# KiCad board WavetableController.kicad_pcb
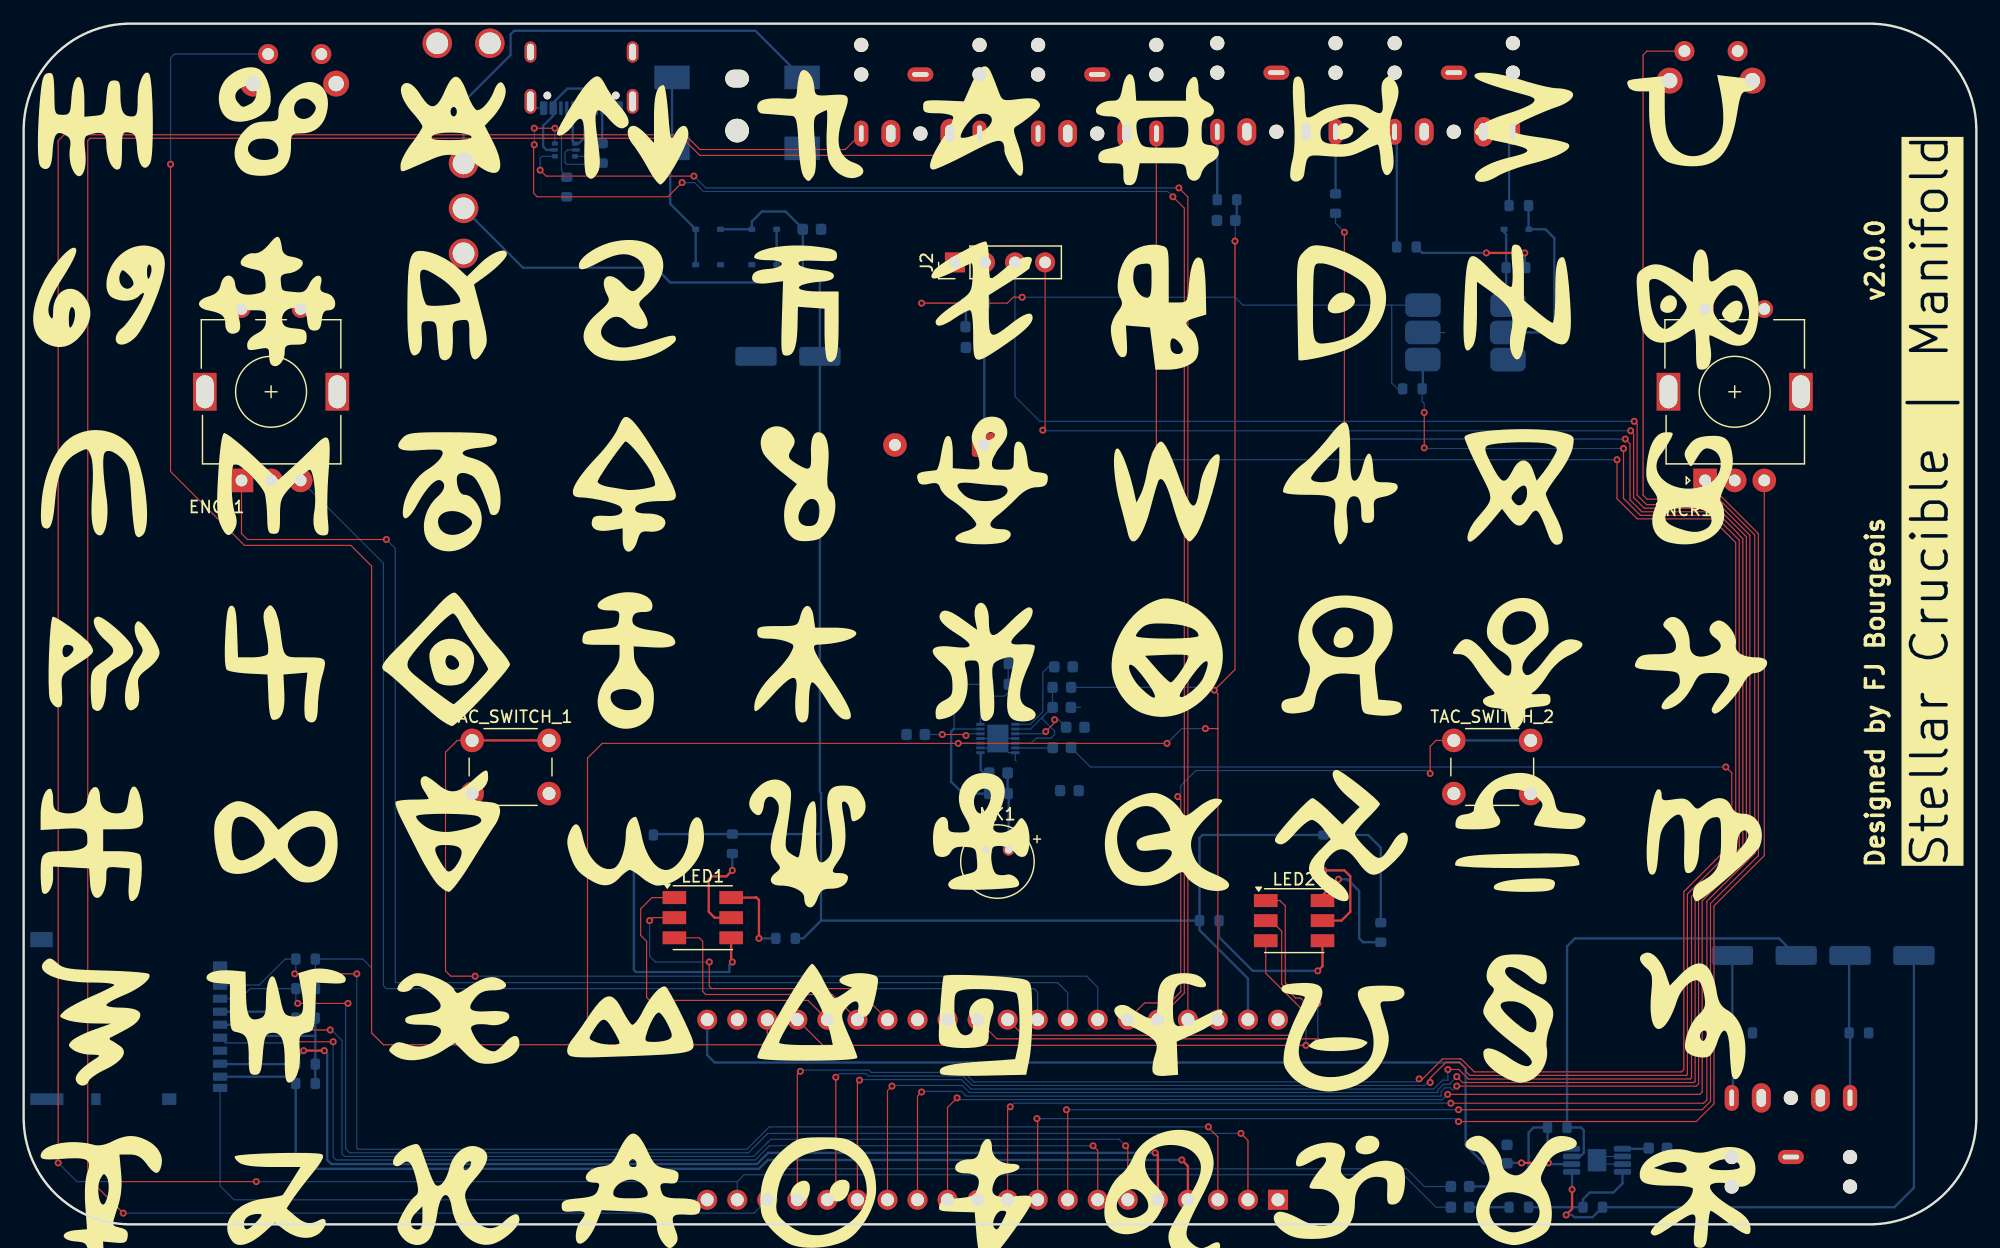
[diagram p0: board, top side]
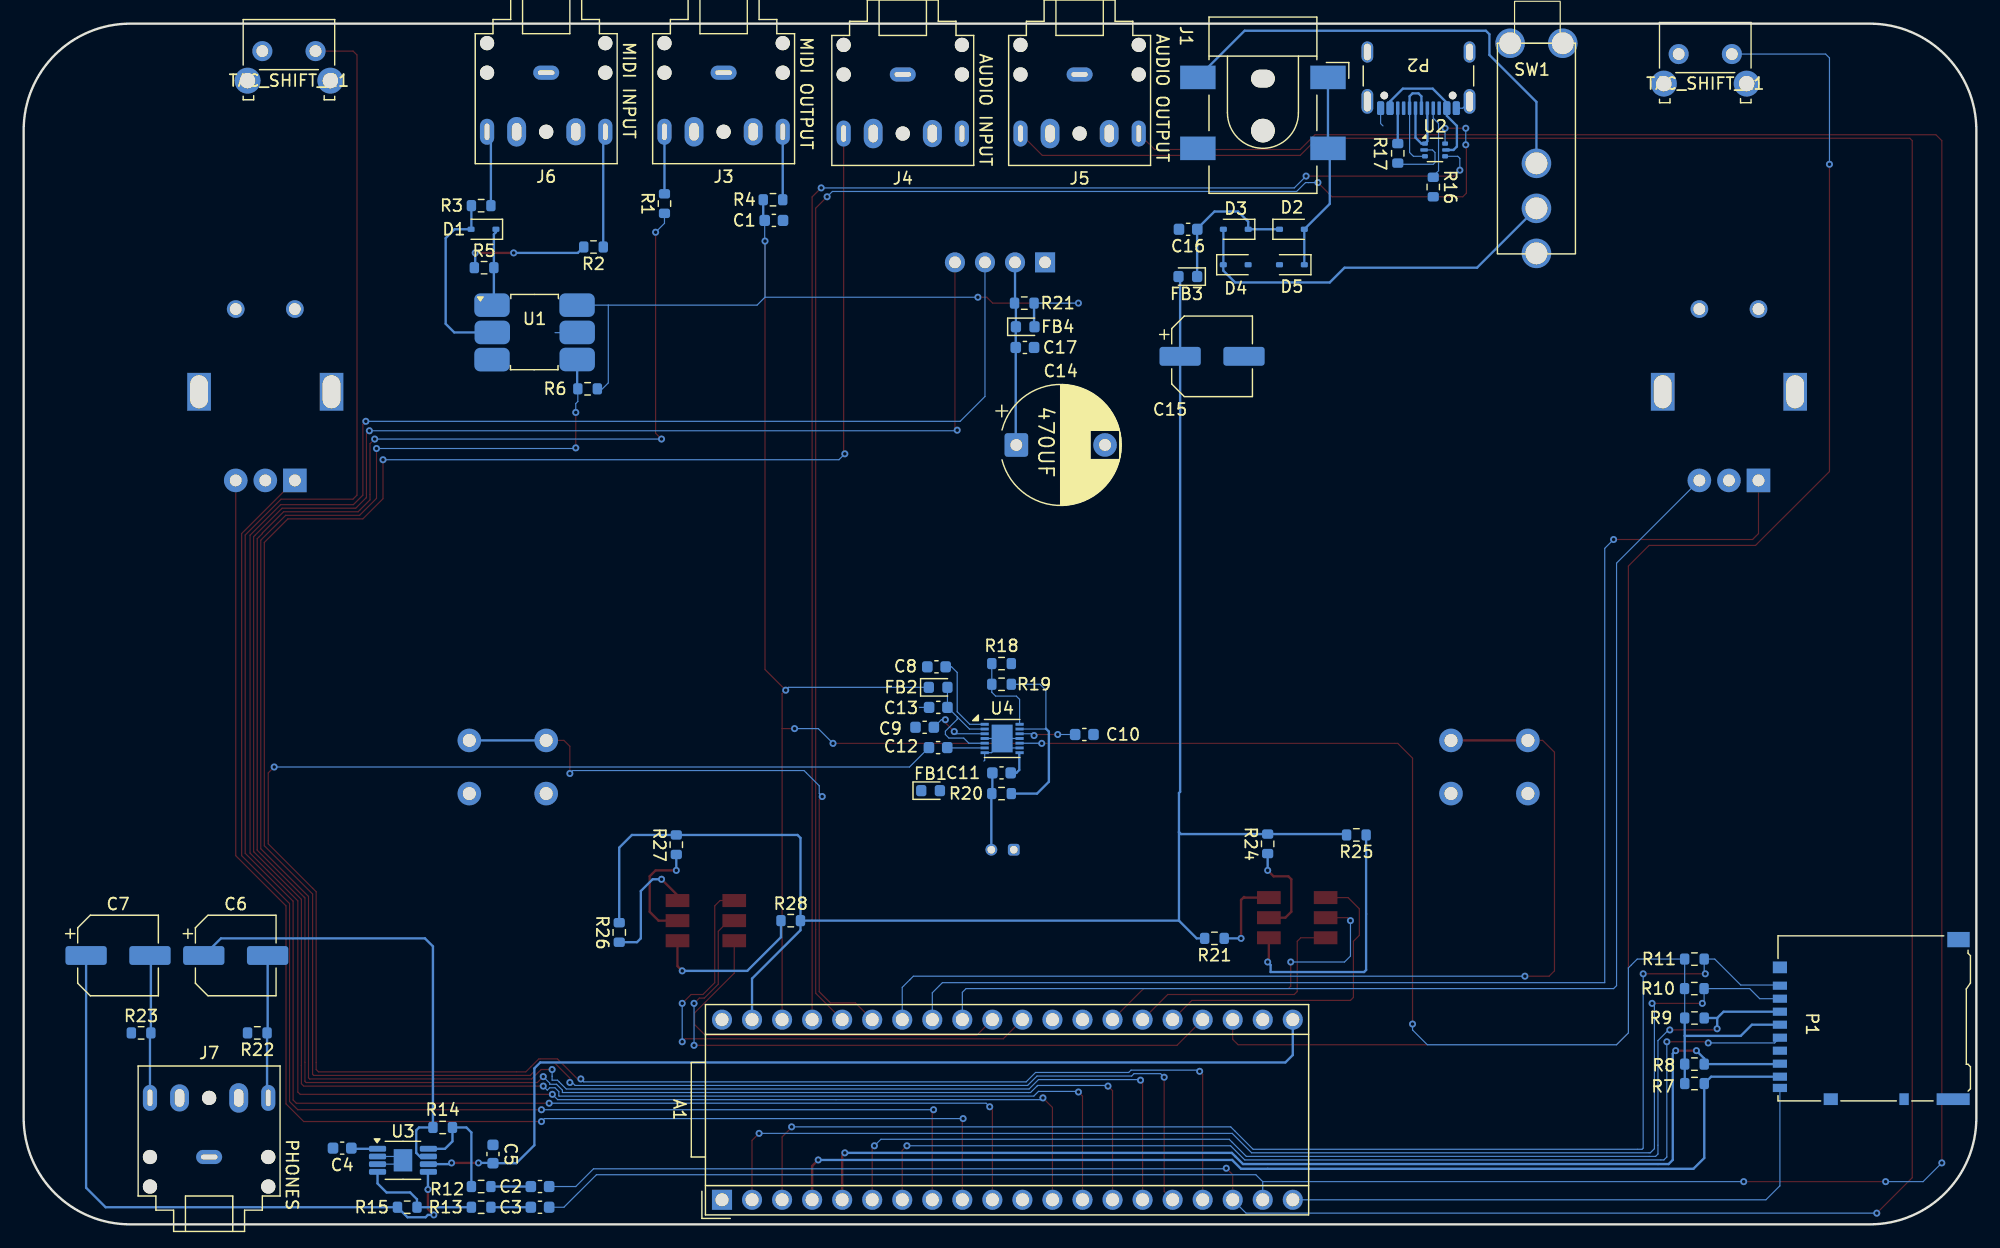
[diagram p1: board, bottom side, seen from below]

Outline 165.1 x 101.6 mm; copper layers: Top, Bottom. Coordinates in mm from the lower left corner of the outline.
Outline path: 156.55,101.59 157,101.55 157.46,101.5 157.9,101.42 158.34,101.32 158.76,101.19 159.18,101.05 159.59,100.89 159.99,100.71 160.38,100.51 160.76,100.29 161.12,100.06 161.48,99.81 161.82,99.54 162.15,99.26 162.46,98.96 162.76,98.65 163.04,98.32 163.31,97.98 163.56,97.62 163.79,97.26 164.01,96.88 164.21,96.49 164.39,96.09 164.55,95.68 164.69,95.26 164.82,94.84 164.92,94.4 165,93.96 165.05,93.5 165.09,93.05 165.1,92.58 165.1,9.02 165.09,8.55 165.05,8.1 165,7.64 164.92,7.2 164.82,6.76 164.69,6.34 164.55,5.92 164.39,5.51 164.21,5.11 164.01,4.72 163.79,4.34 163.56,3.98 163.31,3.62 163.04,3.28 162.76,2.95 162.46,2.64 162.15,2.34 161.82,2.06 161.48,1.79 161.12,1.54 160.76,1.31 160.38,1.09 159.99,0.89 159.59,0.71 159.18,0.55 158.76,0.41 158.34,0.28 157.9,0.18 157.46,0.1 157,0.05 156.55,0.01 156.08,0 9.02,0 8.55,0.01 8.1,0.05 7.64,0.1 7.2,0.18 6.76,0.28 6.34,0.41 5.92,0.55 5.51,0.71 5.11,0.89 4.72,1.09 4.34,1.31 3.98,1.54 3.62,1.79 3.28,2.06 2.95,2.34 2.64,2.64 2.34,2.95 2.06,3.28 1.79,3.62 1.54,3.98 1.31,4.34 1.09,4.72 0.89,5.11 0.71,5.51 0.55,5.92 0.41,6.34 0.28,6.76 0.18,7.2 0.1,7.64 0.05,8.1 0.01,8.55 0,9.02 0,92.58 0.01,93.05 0.05,93.5 0.1,93.96 0.18,94.4 0.28,94.84 0.41,95.26 0.55,95.68 0.71,96.09 0.89,96.49 1.09,96.88 1.31,97.26 1.54,97.62 1.79,97.98 2.06,98.32 2.34,98.65 2.64,98.96 2.95,99.26 3.28,99.54 3.62,99.81 3.98,100.06 4.34,100.29 4.72,100.51 5.11,100.71 5.51,100.89 5.92,101.05 6.34,101.19 6.76,101.32 7.2,101.42 7.64,101.5 8.1,101.55 8.55,101.59 9.02,101.6 156.08,101.6 closed

## Placement (name value [footprint] x y rotation side)
A1  Electrosmith_Daisy_Seed_Rev4  [Electrosmith_Daisy_Seed_Cuz]  106.05 2.08 90 bottom
C1  100NF  [C_0603_1608Metric]  101.67 84.95 180 bottom
C2  470NF  [C_0603_1608Metric]  121.44 3.2 0 bottom
C3  470NF  [C_0603_1608Metric]  121.44 1.45 0 bottom
C4  100NF  [C_0603_1608Metric]  138.17 6.45 0 bottom
C5  100NF  [C_0603_1608Metric]  125.42 5.95 90 bottom
C6  100UF  [CP_Elec_6.3x7.7]  147.17 22.75 180 bottom
C7  100UF  [CP_Elec_6.3x7.7]  157.12 22.75 180 bottom
C8  100NF  [C_0603_1608Metric]  87.92 47.18 180 bottom
C9  2.2UF  [C_0603_1608Metric]  88.92 42.06 180 bottom
C10  470NF  [C_0603_1608Metric]  75.42 41.45 0 bottom
C11  100NF  [C_0603_1608Metric]  82.42 38.2 180 bottom
C12  4.7UF  [C_0603_1608Metric]  87.78 40.34 0 bottom
C13  2.2UF  [C_0603_1608Metric]  87.77 43.74 180 bottom
C14  -  [CP_Radial_D10.0mm_P7.50mm]  81.17 65.95 180 bottom
C15  10UF  [CP_Elec_6.3x7.7]  64.62 73.45 180 bottom
C16  100NF  [C_0603_1608Metric]  66.64 84.2 0 bottom
C17  100NF  [C_0603_1608Metric]  80.44 74.2 180 bottom
D1  D_Schottky  [D_SOD-323]  126.22 84.2 0 bottom
D2  D_Schottky  [D_SOD-323]  57.87 84.2 180 bottom
D3  D_Schottky  [D_SOD-323]  62.61 84.2 0 bottom
D4  D_Schottky  [D_SOD-323]  62.62 81.2 180 bottom
D5  D_Schottky  [D_SOD-323]  57.87 81.2 0 bottom
ENCL1  RotaryEncoder_Switch  [RotaryEncoder_Alps_Vertical_H20mm]  18.42 62.95 90 top
ENCR1  RotaryEncoder_Switch  [RotaryEncoder_Alps_Vertical_H20mm]  142.17 62.95 90 top
FB1  FerriteBead  [D_0603_1608Metric]  88.42 36.7 180 bottom
FB2  FerriteBead  [D_0603_1608Metric]  87.78 45.44 180 bottom
FB3  FerriteBead  [D_0603_1608Metric]  66.67 80.2 0 bottom
FB4  FerriteBead  [D_0603_1608Metric]  80.42 75.95 180 bottom
J1  Barrel_Jack  [Retroactive_SMDBarrelJack_CLIFF]  60.32 94.05 270 bottom
J2  SSD1306 OLED  [Retroactive_2.42_OLED_I2C]  78.74 81.4 90 top
J3  MIDI OUTPUT  [Jack_3.5mm_CUI_RetroactiveCustom]  105.92 97.45 0 bottom
J4  AUDIO INPUT  [Jack_3.5mm_CUI_RetroactiveCustom]  90.77 97.3 0 bottom
J5  AUDIO OUTPUT  [Jack_3.5mm_CUI_RetroactiveCustom]  75.82 97.3 0 bottom
J6  MIDI INPUT  [Jack_3.5mm_CUI_RetroactiveCustom]  120.92 97.45 0 bottom
J7  PHONES  [Jack_3.5mm_CUI_RetroactiveCustom]  149.42 5.7 180 bottom
LED1  CLS6B-FKW  [LED_RGB_5050-6]  57.42 25.95 0 top
LED2  CLS6B-FKW  [LED_RGB_5050-6]  107.42 25.7 0 top
MK1  Microphone_Condenser  [POM-2244P-C3310-2-R]  81.38 31.7 0 top
P1  Micro_SD_Card_Det2  [microSD_HC_Hirose_DM3AT-SF-PEJM5]  8.88 17.42 90 bottom
P2  USB_C31-S-RA-CS2-SMT-BK-T/R  [USB_C_Receptacle_GCT_USB4105-xx-A_16P_TopMnt_Horizontal]  47.17 98.12 0 bottom
R1  10R  [R_0603_1608Metric]  110.92 86.37 90 bottom
R2  0R  [R_0603_1608Metric]  116.92 82.7 0 bottom
R3  0R  [R_0603_1608Metric]  126.42 86.2 0 bottom
R4  33R  [R_0603_1608Metric]  101.74 86.7 180 bottom
R5  220R  [R_0603_1608Metric]  126.17 80.95 180 bottom
R6  270R  [R_0603_1608Metric]  117.42 70.7 180 bottom
R7  47K  [R_0603_1608Metric]  23.83 11.91 180 bottom
R8  47K  [R_0603_1608Metric]  23.83 13.56 180 bottom
R9  47K  [R_0603_1608Metric]  23.83 17.46 180 bottom
R10  47K  [R_0603_1608Metric]  23.84 19.95 180 bottom
R11  47K  [R_0603_1608Metric]  23.84 22.45 180 bottom
R12  22K  [R_0603_1608Metric]  126.42 3.2 0 bottom
R13  22K  [R_0603_1608Metric]  126.42 1.45 0 bottom
R14  33K  [R_0603_1608Metric]  129.67 8.2 0 bottom
R15  33K  [R_0603_1608Metric]  132.67 1.45 0 bottom
R16  5K1  [R_0603_1608Metric]  45.92 87.77 270 bottom
R17  5K1  [R_0603_1608Metric]  48.92 90.62 270 bottom
R18  100K  [R_0603_1608Metric]  82.42 47.45 0 bottom
R19  150K  [R_0603_1608Metric]  82.42 45.7 0 bottom
R20  2K2  [R_0603_1608Metric]  82.42 36.45 180 bottom
R21  10R  [R_0603_1608Metric]  80.49 77.95 180 bottom
R21#2  300R  [R_0603_1608Metric]  64.42 24.2 0 bottom
R22  10k  [R_0603_1608Metric]  145.34 16.2 0 bottom
R23  10k  [R_0603_1608Metric]  155.17 16.2 180 bottom
R24  300R  [R_0603_1608Metric]  59.92 32.2 90 bottom
R25  300R  [R_0603_1608Metric]  52.42 32.95 0 bottom
R26  300R  [R_0603_1608Metric]  114.74 24.7 90 bottom
R27  300R  [R_0603_1608Metric]  109.92 32.12 90 bottom
R28  300R  [R_0603_1608Metric]  100.24 25.7 180 bottom
SW1  Power ON/OFF  [DigiKey_1101A4VQEA_SPDT_Vertical_SlideSwitch]  37.19 99.94 0 bottom
TAC_SHIFT_L1  SW_Push  [Retroactive_90DegSW_Tactile]  25.17 99.02 180 bottom
TAC_SHIFT_R1  SW_Push  [Retroactive_90DegSW_Tactile]  144.92 99.27 180 bottom
TAC_SWITCH_1  SW_MEC_5E  [Retroactive_THT_TACTSW_6mm_H9.5mm]  37.92 40.95 0 top
TAC_SWITCH_2  SW_MEC_5E  [Retroactive_THT_TACTSW_6mm_H9.5mm]  120.92 40.95 0 top
U1  H11L1  [SOP-6_3.8x4.1mm_P2.54mm(RetroactiveCustom)]  121.92 75.45 180 bottom
U2  USBLC6-2P6  [SOT-666]  45.77 90.91 180 bottom
U3  TPA6110A2DGN  [HVSSOP-8-1EP_3x3mm_P0.65mm_EP1.57x1.89mm]  133.03 5.42 180 bottom
U4  MAX9814  [DFN-14-1EP_3x3mm_P0.4mm_EP1.78x2.35mm]  82.37 41.11 180 bottom

## Library data of the parts
A1 = -: Datasheet: https://static1.squarespace.com/static/58d03fdc1b10e3bf442567b8/t/6227e6236f02fb68d1577146/1646781988478/Daisy_Seed_datasheet_v1.0.3.pdf; Description: Daisy is an embedded platform for music.; ki_fp_filters: Electrosmith*Daisy*Seed*
C1-C5 C8-C13 C16 C17 = -: Description: Unpolarized capacitor; ki_fp_filters: C_*
C6 C7 C15 = -: Description: capacitor, US symbol; ki_fp_filters: C_*
C14 = -: Description: 470UF
D1-D5 = -: Description: Schottky diode; ki_fp_filters: TO-???* *_Diode_* *SingleDiode* D_*
ENCL1 ENCR1 = -: Description: Rotary encoder, dual channel, incremental quadrate outputs, with switch; ki_fp_filters: RotaryEncoder*Switch*
FB1-FB4 = -: Description: Ferrite bead; ki_fp_filters: Inductor_* L_* *Ferrite*
J1 = -: Description: DC Barrel Jack; ki_fp_filters: BarrelJack*
J2 = -: Description: Generic connector, single row, 01x04, script generated; ki_fp_filters: Connector*:*_1x??_*
J3-J7 = -: Description: Audio Jack, 3 Poles (Stereo / TRS); ki_fp_filters: Jack*
LED1 LED2 = -: Datasheet: https://www.cree.com/led-components/media/documents/CLS6B-FKW.pdf; Description: Cree PLCC6 3 in 1 SMD LED, PLCC-6; ki_fp_filters: LED*Cree*PLCC*4.7x1.5mm*
MK1 = -: Description: Condenser microphone
P1 = -: Datasheet: https://www.hirose.com/en/product/document?clcode=&productname=&series=DM3&documenttype=Catalog&lang=en&documentid=D49662_en; Description: Micro SD Card Socket with two card detection pins; ki_fp_filters: microSD*
P2 = -: Datasheet: https://www.usb.org/sites/default/files/documents/usb_type-c.zip; Description: USB Full-Featured Type-C Receptacle connector; ki_fp_filters: USB*C*Receptacle*
R1-R21 R21#2 R22-R28 = -: Description: Resistor; ki_fp_filters: R_*
SW1 = -: Description: Single Pole Single Throw (SPST) switch
TAC_SHIFT_L1 TAC_SHIFT_R1 = -: Description: Push button switch, generic, two pins
TAC_SWITCH_1 TAC_SWITCH_2 = -: Datasheet: http://www.apem.com/int/index.php?controller=attachment&id_attachment=1371; Description: MEC 5E single pole normally-open tactile switch; ki_fp_filters: SW*MEC*5G*
U1 = -: Datasheet: https://www.onsemi.com/pub/Collateral/H11L3M-D.PDF; Description: Schmitt Trigger Output Optocoupler, High Speed, DIP-6, 1.6mA turn on threshold; ki_fp_filters: DIP*W7.62mm* DIP*W10.16mm* SMDIP*W9.53mm*
U2 = -: Datasheet: https://www.st.com/resource/en/datasheet/usblc6-2.pdf; Description: Very low capacitance ESD protection diode, 2 data-line, SOT-666; ki_fp_filters: SOT?666*
U3 = -: Datasheet: https://www.ti.com/lit/ds/symlink/tpa6110a2.pdf; Description: 150-mW Stereo Audio Power Amplifier, HVSSOP; ki_fp_filters: HVSSOP*3x3mm*P0.65mm*
U4 = -: Datasheet: https://datasheets.maximintegrated.com/en/ds/MAX9814.pdf; Description: Microphone Amplifier with AGC and Low-Noise Microphone Bias, TDFN-14; ki_fp_filters: *DFN*EP*3x3mm*P0.4mm*

## Footprints (pads in the part's own frame, mm; a bottom-side part is the same pattern mirrored in y, then rotated)
C_0603_1608Metric
  rrect 0.9x0.95 smd: 1(-0.775,0) 2(0.775,0)
CP_Elec_6.3x7.7
  rrect 3.5x1.6 smd: 1(-2.7,0) 2(2.7,0)
CP_Radial_D10.0mm_P7.50mm
  rrect 2x2 hole 1: 1(0,0)
  round 2 hole 1: 2(7.5,0)
D_0603_1608Metric
  rrect 0.875x0.95 smd: 1(-0.787,0) 2(0.787,0)
D_SOD-323
  rrect 0.6x0.45 smd: 1(-1.05,0) 2(1.05,0)
DFN-14-1EP_3x3mm_P0.4mm_EP1.78x2.35mm
  rect 0.7x0.97 smd: (-0.445,-0.588) (-0.445,0.588) (0.45,-0.588) (0.45,0.588)
  rect 0.7x0.25 smd: 1(-1.475,1.2) 2(-1.475,0.8) 3(-1.475,0.4) 4(-1.475,0) 5(-1.475,-0.4) 6(-1.475,-0.8) 7(-1.475,-1.2) 8(1.475,-1.2) 9(1.475,-0.8) 10(1.475,-0.4) 11(1.475,0) 12(1.475,0.4) 13(1.475,0.8) 14(1.475,1.2)
  rect 1.78x2.35 smd: 15(0,0)
DigiKey_1101A4VQEA_SPDT_Vertical_SlideSwitch
  round 2.5 hole 1.85: (-2.225,0) (2.225,0) 1(0,10.16) 2(0,13.97) 3(0,17.78)
Electrosmith_Daisy_Seed_Cuz
  rect 1.7x1.7 hole 1.1: 1(0,0)
  round 1.7 hole 1.1: 2(0,-2.54) 3(0,-5.08) 4(0,-7.62) 5(0,-10.16) 6(0,-12.7) 7(0,-15.24) 8(0,-17.78) 9(0,-20.32) 10(0,-22.86) 11(0,-25.4) 12(0,-27.94) 13(0,-30.48) 14(0,-33.02) 15(0,-35.56) 16(0,-38.1) 17(0,-40.64) 18(0,-43.18) 19(0,-45.72) 20(0,-48.26) 21(15.24,-48.26) 22(15.24,-45.72) 23(15.24,-43.18) 24(15.24,-40.64) 25(15.24,-38.1) 26(15.24,-35.56) 27(15.24,-33.02) 28(15.24,-30.48) 29(15.24,-27.94) 30(15.24,-25.4) 31(15.24,-22.86) 32(15.24,-20.32) 33(15.24,-17.78) 34(15.24,-15.24) 35(15.24,-12.7) 36(15.24,-10.16) 37(15.24,-7.62) 38(15.24,-5.08) 39(15.24,-2.54) 40(15.24,0)
HVSSOP-8-1EP_3x3mm_P0.65mm_EP1.57x1.89mm
  rrect 0.63x0.76 smd: (-0.39,-0.47) (-0.39,0.47) (0.39,-0.47) (0.39,0.47)
  rrect 1.45x0.5 smd: 1(-2.15,0.975) 2(-2.15,0.325) 3(-2.15,-0.325) 4(-2.15,-0.975) 5(2.15,-0.975) 6(2.15,-0.325) 7(2.15,0.325) 8(2.15,0.975)
  rect 1.57x1.89 smd: 9(0,0)
Jack_3.5mm_CUI_RetroactiveCustom
  round 1.2 hole 1.2 unplated: (-5,-2.5) (-5,0) (0,5) (5,-2.5) (5,0)
  oval 1.2x2.2 hole 0.4x1.4: R(-5,5) T(5,5)
  oval 1.6x2.3 hole 0.8x1.5: RN(-2.5,5)
  oval 2.2x1.2 hole 1.4x0.4: S(0,0)
  oval 1.6x2.5 hole 0.8x1.5: TN(2.5,5)
LED_RGB_5050-6
  rect 2x1.1 smd: 1(-2.4,1.7) 2(2.4,1.7) 3(-2.4,0) 4(2.4,0) 5(-2.4,-1.7) 6(2.4,-1.7)
microSD_HC_Hirose_DM3AT-SF-PEJM5
  rect 0.7x1.2 smd: 1(2.775,7.725) 2(1.675,7.725) 3(0.575,7.725) 4(-0.525,7.725) 5(-1.625,7.725) 6(-2.725,7.725) 7(-3.825,7.725) 8(-4.925,7.725) 9(-5.875,7.725)
  rect 1x0.8 smd: 10(-6.825,-2.775)
  rect 1x2.8 smd: 11(-6.825,-6.925)
  rect 1x1.2 smd: 11(-6.825,3.425) 11(4.325,7.725)
  rect 1.3x1.9 smd: 11(6.675,-7.375)
POM-2244P-C3310-2-R
  rrect 1x1 hole 0.65: 1(0,0)
  round 1 hole 0.65: 2(1.9,0)
R_0603_1608Metric
  rrect 0.8x0.95 smd: 1(-0.825,0) 2(0.825,0)
Retroactive_2.42_OLED_I2C
  rect 1.7x1.7 hole 1: 1(0,0)
  round 1.7 hole 1: 2(0,-2.54) 3(0,-5.08) 4(0,-7.62)
Retroactive_90DegSW_Tactile
  round 2.2 hole 1.3: (-1.25,-2.5) (5.75,-2.5)
  round 1.7 hole 1: 1(0,0) 2(4.5,0)
Retroactive_SMDBarrelJack_CLIFF
  oval 1.5x2 hole 1.5x2 unplated: (-2.9,0)
  round 2 hole 2 unplated: (1.5,0)
  rect 2x3 smd: 1(-3,5.5) 1(3,5.5) 2(-3,-5.5) 3(3,-5.5)
Retroactive_THT_TACTSW_6mm_H9.5mm
  round 2 hole 1.1: 1(0,0) 2(0,-4.5) 3(6.5,-4.5) 4(6.5,0)
RotaryEncoder_Alps_Vertical_H20mm
  round 1.5 hole 1: 1(14.5,0) 2(14.5,-5)
  rect 2x2 hole 1: A(0,0)
  round 2 hole 1: B(0,-5) C(0,-2.5)
  rect 3.2x2 hole 2.8x1.5: MP(7.5,3.1) MP(7.5,-8.1)
SOP-6_3.8x4.1mm_P2.54mm(RetroactiveCustom)
  rrect 3x2 smd: 1(-3.58,2.33) 2(-3.56,0.02) 3(-3.58,-2.28) 4(3.62,-2.27) 5(3.62,0.02) 6(3.61,2.33)
SOT-666
  rrect 0.5x0.375 smd: 1(-0.85,0.537) 3(-0.85,-0.537) 4(0.85,-0.537) 6(0.85,0.537)
  rrect 0.65x0.3 smd: 2(-0.925,0) 5(0.925,0)
USB_C_Receptacle_GCT_USB4105-xx-A_16P_TopMnt_Horizontal
  round 0.65 hole 0.65 unplated: (-2.89,2.605) (2.89,2.605)
  rrect 0.6x1.15 smd: A1(-3.2,3.68) A4(-2.4,3.68) A9(2.4,3.68) A12(3.2,3.68) B1(3.2,3.68) B4(2.4,3.68) B9(-2.4,3.68) B12(-3.2,3.68)
  rrect 0.3x1.15 smd: A5(-1.25,3.68) A6(-0.25,3.68) A7(0.25,3.68) A8(1.25,3.68) B5(1.75,3.68) B6(0.75,3.68) B7(-0.75,3.68) B8(-1.75,3.68)
  oval 1x1.8 hole 0.6x1.4: S1(-4.32,-1.075) S1(4.32,-1.075)
  oval 1x2.1 hole 0.6x1.7: S1(-4.32,3.105) S1(4.32,3.105)

## Nets
/+3V3_A: A1.21 C5.1 U3.6
/+3V3_D: A1.38 C1.1 FB2.1 FB4.2 P1.4 R4.1 R6.2 R7.1 R8.1 R9.1 R10.1 R11.1 R21.2 U1.6 U4.10
/+5V_USB: P2.A4 P2.A9 P2.B4 P2.B9 U2.5
/+9V_FILT: A1.39 C15.1 FB3.2 R21#2.2 R24.2 R25.2 R26.2 R27.2 R28.2
GND: A1.20 A1.40 C1.2 C4.2 C5.2 C8.1 C9.1 C10.1 C13.1 C14.2 C15.2 C16.2 C17.2 D4.2 D5.2 ENCL1.2 ENCL1.C ENCR1.2 ENCR1.C FB1.1 FB1.2 J2.1 J3.S J4.S J5.S J6.S J7.S MK1.1 P1.6 P1.9 P1.11 P2.A1 P2.A12 P2.B1 P2.B12 P2.S1 R16.2 R17.2 R18.1 R22.2 R23.1 TAC_SHIFT_L1.1 TAC_SHIFT_R1.1 TAC_SWITCH_1.2 TAC_SWITCH_1.3 TAC_SWITCH_2.2 TAC_SWITCH_2.3 U1.5 U2.2 U3.2 U3.3 U3.9 U4.4 U4.7 U4.9 U4.11 U4.15
/ENCL_A: A1.33 ENCL1.A
/ENCL_B: A1.32 ENCL1.B
/ENCL_CLICK: A1.11 ENCL1.1
/ENCR_A: A1.8 ENCR1.A
/ENCR_B: A1.9 ENCR1.B
/ENCR_CLICK: A1.29 ENCR1.1
/I2C_SCL: A1.12 J2.3
/I2C_SDA: A1.13 J2.4
/LED_1_B: A1.25 LED1.1
/LED_1_G: A1.26 LED1.5
/LED_1_R: A1.27 LED1.3
/LED_2_B: A1.30 LED2.1
/LED_2_G: A1.31 LED2.5
/LED_2_R: A1.24 LED2.3
/MIC_HOT: C11.1 MK1.2 R20.1
/MIDI_IN_RING: J6.R R2.1
/MIDI_IN_TIP: J6.T R3.1
/OLED_HOT: C14.1 C17.1 FB4.1 J2.2 R21.1
/SD_CK: A1.7 P1.5
/SD_CMD: A1.6 P1.3 R9.2
/SD_D0: A1.5 P1.7 R8.2
/SD_D1: A1.4 P1.8 R7.2
/SD_D2: A1.3 P1.1 R11.2
/SD_D3: A1.2 P1.2 R10.2
/SWA: P1.10
/TAC_SHIFT_L: A1.23 TAC_SHIFT_L1.2
/TAC_SHIFT_R: A1.10 TAC_SHIFT_R1.2
/TAC_SWITCH_1: A1.34 TAC_SWITCH_1.1 TAC_SWITCH_1.4
/TAC_SWITCH_2: A1.35 TAC_SWITCH_2.1 TAC_SWITCH_2.4
/USART1_RX: A1.15 R6.1 U1.4
/USART1_TX: A1.14 R1.1
/USB_IN_MCU_N: A1.36 U2.6
/USB_IN_MCU_P: A1.37 U2.4
/USB_IN_N: P2.A7 P2.B7 U2.1
/USB_IN_P: P2.A6 P2.B6 U2.3
AUDIO_IN_L: A1.16 J4.T
AUDIO_MIC_IN_R: A1.17 C12.2
AUDIO_OUT_L: A1.18 C2.1 J5.T
AUDIO_OUT_R: A1.19 C3.1 J5.R
HEADPHONE_OUT_L: C6.2 J7.T R22.1
HEADPHONE_OUT_R: C7.2 J7.R R23.2
Net-(C2-Pad2): C2.2 R12.1
Net-(C3-Pad2): C3.2 R13.1
Net-(D1-A): D1.2 R3.2 U1.2
Net-(D1-K): D1.1 R5.2 U1.1
Net-(D2-A): D2.2 D5.1 J1.1
Net-(D2-K): C16.1 D2.1 D3.1 FB3.1
Net-(D3-A): D3.2 D4.1 SW1.2
Net-(J3-PadR): J3.R R4.2
Net-(J3-PadT): J3.T R1.2
Net-(LED1-KB): LED1.6 R25.1
Net-(LED1-KR-Pad2): LED1.2 R21#2.1
Net-(LED1-KR-Pad4): LED1.4 R24.1
Net-(LED2-KB): LED2.2 R26.1
Net-(LED2-KR-Pad4): LED2.4 R27.1
Net-(LED2-KR-Pad6): LED2.6 R28.1
Net-(P2-CC1): P2.A5 R16.1
Net-(P2-CC2): P2.B5 R17.1
Net-(R2-Pad2): R2.2 R5.1
Net-(SW1-A): J1.2 SW1.1
Net-(U3-BYPASS): C4.1 U3.1
Net-(U3-IN1-): R12.2 R14.1 U3.8
Net-(U3-IN2-): R13.2 R15.1 U3.4
Net-(U3-VO1): C6.1 R14.2 U3.7
Net-(U3-VO2): C7.1 R15.2 U3.5
Net-(U4-BIAS): C10.2 U4.12
Net-(U4-CG): C9.2 U4.3
Net-(U4-CT): C8.2 U4.1
Net-(U4-MICBIAS): R19.1 R20.2 U4.13
Net-(U4-MICIN): C11.2 U4.8
Net-(U4-MICOUT): C12.1 U4.6
Net-(U4-TH): R18.2 R19.2 U4.14
Net-(U4-VDD): C13.2 FB2.2 U4.2 U4.5

Pads without a net: A1 1 22 28; ENCL1 MP; ENCR1 MP; J1 3; J3 RN TN; J4 R RN TN; J5 RN TN; J6 RN TN; J7 RN TN; P2 A8 B8; SW1 3; U1 3

## Via types
v1: diameter 0.6, hole 0.3, Top to Bottom, 94 vias

## Routing (per net, layer and track width the routed paths; a pad name or vN(x,y) marks a point on that pad's centre or on a via; arc(x,y) is an arc through that point)
/+3V3_A: length 83.7
  Top w0.2: v1(128.92,5.2) v1(126.64,5.2)
  Bottom w0.2: v1(128.92,5.2) 129.02,5.09 U3.6 ; A1.21 57.79,14.32 58.42,13.7 121.42,13.7 121.92,13.2 121.92,6.7 123.44,5.17 C5.1 125.44,5.2 v1(126.64,5.2)
/+3V3_D: length 271.6
  Top w0.1: 100.97,41.95 100.97,44.89 v1(100.67,45.2) 102.42,46.95 v1(102.42,83.2) ; 100.97,41.95 v1(99.92,41.95) ; 100.97,41.95 A1.38 ; v1(75.92,77.95) 83.17,77.95 83.67,78.45 v1(84.42,78.45) ; v1(47.67,16.95) 47.67,39.45 48.92,40.7 v1(79.02,40.7) v1(96.67,40.7)
  Bottom w0.1: 115.67,77.78 103.09,77.78 102.42,78.45 ; 115.67,77.78 U1.6 ; 115.67,77.78 115.67,71.2 116.17,70.7 R6.2 ; v1(100.67,45.2) 100.43,45.44 FB2.1 ; v1(75.92,77.95) R21.2 ; 102.42,78.45 v1(84.42,78.45) ; 102.42,78.45 v1(102.42,83.2) 102.44,83.22 C1.1 ; v1(99.92,41.95) 97.92,41.95 v1(96.67,40.7) ; R9.1 24.66,19.69 24.67,19.7 R10.1 24.66,19.96 R11.1 28.67,22.45 29.42,21.7 29.42,16.2 30.42,15.2 46.42,15.2 47.67,16.45 v1(47.67,16.95) ; U4.10 79.03,40.71 v1(79.02,40.7)
  Bottom w0.2: P1.4 18.97,16.89 19.92,15.95 24.66,15.95 ; R21.2 79.67,75.99 FB4.2 ; C1.1 102.57,85.07 R4.1 ; 24.66,15.95 R8.1 24.65,13.56 R7.1 ; 24.66,15.95 R9.1
/+5V_USB: length 11.4
  Bottom w0.2: P2.A9 49.57,95.02 48.49,96.1 45.97,96.1 44.77,94.9 P2.A4 44.77,93.8 43.92,92.95 43.92,91.2 44.21,90.91 U2.5
/+9V_FILT: length 143
  Bottom w0.2: 67.42,33.2 67.24,33.02 R24.2 53.32,33.02 R25.2 ; 67.42,33.2 67.42,36.5 67.32,36.6 C15.1 67.32,80.06 FB3.2 ; 67.42,33.2 67.42,25.7 ; R28.2 99.42,32.7 99.67,32.95 R27.2 113.67,32.95 114.74,31.87 R26.2 ; R28.2 99.42,24.89 103.51,20.8 A1.39 ; R28.2 67.42,25.7 ; R21#2.2 65.92,24.2 67.42,25.7
GND: length 72.9
  Bottom w0.1: U4.15 81.57,40.31 U4.9 ; U4.15 82.37,40.81 83.27,39.91 U4.7 83.84,39.27 83.92,39.2 ; U4.15 U4.11 ; U4.15 U4.4 ; A1.20 17.79,2.08 16.61,3.26 P1.9 ; R17.2 48.82,89.7 45.92,89.7 45.77,89.85 45.77,90.7 45.98,90.91 U2.2 ; 50.37,93.15 50.17,92.95 ; U1.5 118.32,75.45 120.17,75.45 ; C13.1 89.37,43.74 ; P2.A12 50.37,93.2 ; U3.3 133.35,5.09 U3.9 133.35,5.74 U3.2 ; P2.A1 43.42,94.44 P2.S1
/ENCL_A: length 114.3
  Top w0.1: ENCL1.A 18.42,58.45 18.92,57.95 v1(30.67,57.95)
  Bottom w0.1: A1.33 88.27,19.59 87.42,20.45 31.42,20.45 31.42,57.2 v1(30.67,57.95)
/ENCL_B: length 103.5
  Bottom w0.1: A1.32 85.73,19.63 85.42,19.95 30.67,19.95 30.42,20.2 30.42,55.95 ENCL1.B
/ENCR_A: length 118.5
  Top w0.1: v1(88.17,9.7) 88.27,9.59 A1.8 ; ENCR1.A 146.67,58.45 146.67,31.2 142.62,27.15 142.62,10.4 141.92,9.7 v1(121.32,9.7)
  Bottom w0.1: v1(88.17,9.7) v1(121.32,9.7)
/ENCR_B: length 119.4
  Top w0.1: v1(85.67,8.95) 85.73,8.88 A1.9 ; ENCR1.B 147.17,31.2 142.92,26.95 142.92,10.2 141.42,8.7 v1(121.32,8.7)
  Bottom w0.1: v1(121.32,8.7) 121.07,8.95 v1(85.67,8.95)
/I2C_SCL: length 202.9
  Top w0.1: v1(120.4,11) 141.72,11 141.92,11.2 141.92,27.38 145.96,31.41 145.96,58.31 143.37,60.9 137.22,60.9 136.42,61.7 136.42,67.7 v1(136.17,67.95) ; A1.12 78.11,9.9 v1(78.92,10.7)
  Bottom w0.1: J2.3 83.82,70.05 85.92,67.95 v1(136.17,67.95) ; v1(78.92,10.7) 79.07,10.55 119.95,10.55 v1(120.4,11)
/I2C_SDA: length 204.6
  Top w0.1: J2.4 86.36,67.39 v1(86.17,67.2) ; A1.13 75.57,10.86 v1(75.92,11.2) ; v1(135.87,67.15) 136.12,66.9 136.12,61.5 137.02,60.6 143.24,60.6 145.66,58.19 145.66,31.54 141.62,27.5 141.62,11.9 141.42,11.7 v1(121.17,11.7)
  Bottom w0.1: v1(121.17,11.7) 120.83,11.36 120.63,11.55 120.17,11.55 119.85,11.23 119.85,10.88 119.82,10.85 79.69,10.85 79.29,11.25 75.97,11.25 v1(75.92,11.2) ; v1(86.17,67.2) 86.22,67.15 v1(135.87,67.15)
/LED_1_B: length 27
  Top w0.1: A1.25 66.32,18.95 52.92,18.95 52.67,19.2 52.67,23.95 52.17,24.45 52.17,26.7 53.12,27.65 LED1.1
/LED_1_G: length 20.8
  Top w0.1: A1.26 68.36,19.45 57.67,19.45 57.42,19.7 57.42,23.95 57.12,24.25 LED1.5
/LED_1_R: length 28.7
  Top w0.1: A1.27 70.4,19.95 58.17,19.95 57.97,20.15 v1(57.97,22.2) ; LED1.3 53.17,25.95 v1(52.92,25.7)
  Bottom w0.1: v1(57.97,22.2) 53.42,22.2 52.92,22.7 v1(52.92,25.7)
/LED_2_B: length 44.6
  Top w0.1: A1.30 82.27,15.7 109.17,15.7 v1(109.42,15.45) ; v1(109.42,18.7) 108.67,19.45 107.67,19.45 106.67,20.45 106.67,26.95 106.22,27.4 LED2.1
  Bottom w0.1: v1(109.42,15.45) v1(109.42,18.7)
/LED_2_G: length 34.6
  Top w0.1: LED2.5 105.02,21.25 108.37,17.9 108.37,16.9 107.47,16 84.51,16 A1.31
/LED_2_R: length 56.4
  Top w0.1: A1.24 67.58,15.15 v1(108.42,15.15) ; v1(108.42,18.7) 107.97,19.15 107.54,19.15 106.37,20.33 106.37,24.8 105.47,25.7 LED2.3
  Bottom w0.1: v1(108.42,15.15) v1(108.42,18.7)
/MIC_HOT: length 6.5
  Bottom w0.2: MK1.2 83.28,36.41 R20.1 83.19,36.5 C11.1
/MIDI_IN_RING: length 9.8
  Bottom w0.2: R2.1 116.09,92.27 J6.R
/MIDI_IN_TIP: length 6.4
  Bottom w0.2: J6.T 125.59,92.12 R3.1
/OLED_HOT: length 15.5
  Bottom w0.2: J2.2 81.28,77.99 R21.1 81.21,77.84 FB4.1 81.22,75.94 C17.1 81.22,66 C14.1
/SD_CK: length 89.1
  Top w0.1: v1(26.17,15.45) 22.77,15.45 v1(22.67,15.35) ; v1(90.42,6.65) 90.81,6.25 A1.7
  Bottom w0.1: v1(90.42,6.65) 63.06,6.65 61.86,5.45 26.42,5.45 26.17,5.7 v1(26.17,15.45) ; P1.5 17.05,15.35 v1(22.67,15.35)
/SD_CMD: length 94.4
  Top w0.1: v1(21.92,16.55) 22.02,16.45 v1(25.92,16.45) ; A1.6 93.35,6.46 v1(93.17,6.65)
  Bottom w0.1: v1(93.17,6.65) 92.62,7.2 63.17,7.2 61.72,5.75 27.12,5.75 26.92,5.95 26.92,15.55 26.02,16.45 v1(25.92,16.45)
  Bottom w0.2: v1(21.92,16.55) 21.91,16.56 21.91,17.46 ; R9.2 21.91,17.46 ; 21.91,17.46 21.37,17.99 P1.3
/SD_D0: length 93.5
  Top w0.2: A1.5 95.89,5.82 v1(95.67,6.05) ; v1(23.67,14.7) v1(25.42,14.7)
  Bottom w0.2: v1(25.42,14.7) 25.67,14.45 25.67,5.45 26.02,5.1 62,5.1 62.95,6.05 v1(95.67,6.05) ; P1.7 16.64,13.56 R8.2 23.01,14.04 v1(23.67,14.7)
/SD_D1: length 92.1
  Top w0.2: v1(97.92,5.45) 98.43,4.93 A1.4
  Bottom w0.2: P1.8 22.42,12.49 R7.2 23,5.61 23.92,4.7 62.17,4.7 62.92,5.45 v1(97.92,5.45)
/SD_D2: length 108
  Top w0.1: v1(22.92,21.2) v1(28.17,21.2) ; A1.3 100.97,7.39 100.17,8.2 v1(100.17,8.25)
  Bottom w0.1: v1(100.17,8.25) 63.04,8.25 61.15,6.35 28.26,6.35 28.17,6.45 v1(28.17,21.2) ; v1(22.92,21.2) 23.01,21.29 R11.2 22.12,22.45 19.92,20.25 16.67,20.25 P1.1
/SD_D3: length 107.1
  Top w0.1: v1(102.92,7.7) 103.51,7.1 A1.2 ; v1(23.17,18.7) v1(27.42,18.7)
  Bottom w0.1: v1(102.92,7.7) 62.92,7.7 61.27,6.05 27.57,6.05 27.22,6.4 27.22,18.5 v1(27.42,18.7) ; P1.2 18.31,19.09 19.17,19.95 R10.2 23.02,18.85 v1(23.17,18.7)
/TAC_SHIFT_L: length 138.9
  Top w0.1: A1.23 62.87,15.66 62.42,15.2 30.42,15.2 29.42,16.2 29.42,55.7 27.67,57.45 18.67,57.45 12.42,63.7 v1(12.42,89.7)
  Bottom w0.1: v1(12.42,89.7) 12.42,98.7 12.74,99.02 TAC_SHIFT_L1.2
/TAC_SHIFT_R: length 168.5
  Top w0.1: v1(120.67,10.25) 142.04,10.25 142.32,10.52 142.32,27.35 146.37,31.4 146.37,58.33 143.33,61.36 137.26,61.36 136.92,61.7 136.92,98.95 137.24,99.27 TAC_SHIFT_R1.2 140.52,99.17 ; v1(83.42,9.95) 83.19,9.73 A1.10
  Bottom w0.1: v1(120.67,10.25) 120.67,10.25 83.72,10.25 v1(83.42,9.95)
/TAC_SWITCH_1: length 86.1
  Top w0.1: v1(38.17,21) 36.12,21 35.67,21.45 35.67,39.95 36.67,40.95 TAC_SWITCH_1.1
  Top w0.2: TAC_SWITCH_1.4 TAC_SWITCH_1.1
  Bottom w0.1: v1(38.17,21) 89.87,21 90.81,20.05 A1.34
/TAC_SWITCH_2: length 55.8
  Top w0.1: TAC_SWITCH_2.1 119.42,40.95 118.92,40.45 v1(118.92,38.15) ; v1(97.58,36.2) 97.83,35.95 97.83,19.68 96.88,18.74 94.77,18.74 A1.35
  Bottom w0.1: v1(118.92,38.15) 118.67,38.4 99.12,38.4 97.83,37.11 97.83,36.45 v1(97.58,36.2)
  Bottom w0.2: TAC_SWITCH_2.4 TAC_SWITCH_2.1
/USART1_RX: length 169.6
  Top w0.1: A1.15 70.49,12.03 v1(70.67,12.2) ; v1(135.27,65.65) 135.27,61.43 136.7,60 142.95,60 145.05,57.89 145.05,31.79 141.02,27.75 141.02,12.4 140.92,12.3 122.15,12.3 121.35,13.1 v1(120.42,13.1) ; v1(118.42,65.7) v1(118.42,68.7)
  Bottom w0.1: v1(118.42,68.7) 118.42,69.45 118.24,69.62 R6.1 ; v1(120.42,13.1) 120.42,12.2 119.97,12.2 119.22,11.45 80.09,11.45 79.29,12.25 70.72,12.25 v1(70.67,12.2) ; v1(135.27,65.65) 118.47,65.65 v1(118.42,65.7)
  Bottom w0.2: R6.1 118.3,70.75 U1.4
/USART1_TX: length 187.1
  Top w0.1: v1(111.17,66.45) 111.67,66.95 v1(111.67,83.95) ; v1(121.17,12.5) 121.67,12 141.22,12 141.32,12.1 141.32,27.63 145.35,31.66 145.35,58.01 144.92,58.45 144.92,58.5 143.12,60.3 136.82,60.3 135.82,61.3 135.82,66.05 v1(135.42,66.45) ; A1.14 73.03,11.32 v1(73.42,11.7)
  Bottom w0.1: v1(111.17,66.45) 110.92,66.45 v1(135.42,66.45) ; R1.1 110.92,84.7 v1(111.67,83.95) ; v1(121.17,12.5) 120.62,11.95 120.62,11.86 120.05,11.86 119.55,11.36 119.55,11.15 79.97,11.15 79.37,11.75 73.47,11.75 v1(73.42,11.7)
/USB_IN_MCU_N: length 134.8
  Top w0.1: v1(43.17,92.75) v1(44.92,92.75) ; v1(55.67,88.15) 54.47,86.95 43.42,86.95 43.12,87.25 43.12,91.4 43.17,91.35 v1(43.17,91.35) ; v1(97.17,86.95) 98.13,85.99 98.13,19.56 A1.36
  Bottom w0.1: v1(44.92,92.75) U2.6 ; v1(55.67,88.15) 56.44,88.15 56.44,88.15 56.72,88.15 57.47,87.4 96.72,87.4 v1(97.17,86.95) ; v1(43.17,91.35) v1(43.17,92.75)
/USB_IN_MCU_P: length 127.6
  Top w0.1: v1(43.67,89.2) 44.17,88.7 v1(56.67,88.7) ; v1(97.67,87.7) 98.43,86.93 A1.37
  Bottom w0.1: v1(43.67,89.2) 43.67,90.2 43.84,90.37 U2.4 ; v1(97.67,87.7) 57.67,87.7 v1(56.67,88.7)
/USB_IN_N: length 6.6
  Bottom w0.2: P2.A7 47.42,91.95 46.92,91.45 U2.1 46.42,91.65 P2.B7
/USB_IN_P: length 8.4
  Bottom w0.1: U2.3 47.59,90.37 47.92,90.7 P2.B6
  Bottom w0.2: P2.B6 47.92,95.45 47.67,95.7 47.17,95.7 46.92,95.45 P2.A6
AUDIO_IN_L: length 212.8
  Top w0.1: v1(134.72,64.7) 134.72,61.4 136.42,59.7 142.76,59.7 144.75,57.7 144.75,32.03 140.67,27.95 140.67,12.7 140.57,12.6 122.27,12.6 121.92,12.95 121.92,13.2 121.42,13.7 120.24,13.7 118.92,12.38 v1(118.92,12) ; A1.16 68.67,2.79 v1(68.67,12.45) ; J4.T 95.77,65.3 v1(95.67,65.2)
  Bottom w0.1: v1(118.92,12) 118.72,12 118.48,11.76 80.21,11.76 79.42,12.55 71.42,12.55 71.22,12.75 68.97,12.75 v1(68.67,12.45) ; v1(134.72,64.7) 96.17,64.7 v1(95.67,65.2)
AUDIO_MIC_IN_R: length 171
  Top w0.1: v1(143.92,38.7) 144.42,38.2 144.42,32.2 140.37,28.15 140.37,13.1 140.17,12.9 122.64,12.9 121.54,14 119.97,14 118.28,12.31 v1(117.99,12.31) ; A1.17 65.41,12.7 v1(65.67,12.95)
  Bottom w0.1: v1(143.92,38.7) 90.2,38.7 C12.2 ; v1(65.67,12.95) 65.77,13.05 71.47,13.05 71.67,12.85 79.54,12.85 80.34,12.06 117.74,12.06 v1(117.99,12.31)
AUDIO_OUT_L: length 284.6
  Top w0.1: J5.T 78.97,90.45 57.17,90.45 55.72,91.9 5.62,91.9 5.42,91.7 5.42,3.95 v1(8.42,0.95) ; v1(63.42,4.75) 62.87,4.21 A1.18
  Bottom w0.1: A1.18 61.74,0.95 v1(8.42,0.95) ; C2.1 118.42,3.2 116.92,4.7 63.47,4.7 v1(63.42,4.75)
AUDIO_OUT_R: length 277
  Top w0.1: v1(2.92,5.2) 2.92,91.7 3.42,92.2 55.92,92.2 57.17,90.95 69.47,90.95 J5.R ; v1(19.67,3.62) v1(7.67,3.62)
  Bottom w0.1: 60.33,3.62 A1.19 ; 60.33,3.62 60.92,4.2 116.67,4.2 119.42,1.45 C3.1 ; 60.33,3.62 v1(19.67,3.62) ; v1(2.92,5.2) 4.5,3.62 v1(7.67,3.62)
HEADPHONE_OUT_L: length 12.2
  Bottom w0.2: J7.T 144.52,10.8 R22.1 144.47,16.25 C6.2 144.52,22.7
HEADPHONE_OUT_R: length 12.5
  Bottom w0.2: 154.34,22.42 154.42,22.5 C7.2 154.34,22.67 R23.2 154.34,16.02 154.42,15.95 J7.R
Net-(C2-Pad2): length 3.4
  Bottom w0.2: R12.1 C2.2
Net-(C3-Pad2): length 3.4
  Bottom w0.2: C3.2 R13.1
Net-(D1-A): length 16.1
  Bottom w0.2: 127.34,86.3 R3.2 127.24,84.22 D1.2 128.67,84.2 129.42,83.45 129.42,76.2 128.69,75.47 U1.2
Net-(D1-K): length 6.6
  Bottom w0.2: U1.1 125.34,77.93 R5.2 125.34,83.77 125.17,83.95 D1.1
Net-(D2-A): length 16.8
  Bottom w0.2: J1.1 J1.1 54.67,90.9 54.67,86.35 D2.2 D5.1
Net-(D2-K): length 12.6
  Bottom w0.2: D2.1 D3.1 61.56,84.84 62.42,85.7 64.42,85.7 65.87,84.25 C16.1 65.88,84.19 FB3.1
Net-(D3-A): length 33
  Bottom w0.2: D3.2 63.66,81.2 D4.1 63.67,80.7 62.67,79.7 54.67,79.7 53.42,80.95 42.21,80.95 SW1.2
Net-(J3-PadR): length 5.8
  Bottom w0.2: R4.2 J3.R
Net-(J3-PadT): length 5.2
  Bottom w0.2: R1.2 J3.T
Net-(LED1-KB): length 22.6
  Top w0.2: LED1.6 59.82,22.3 v1(59.92,22.2)
  Bottom w0.2: v1(59.92,22.2) 59.67,21.95 59.67,21.35 51.77,21.35 51.59,21.52 R25.1
Net-(LED1-KR-Pad2): length 7.2
  Top w0.2: LED1.2 61.87,27.65 61.92,27.7 62.17,27.45 v1(62.17,24.2) 62.12,24.25
  Bottom w0.2: R21#2.1 v1(62.17,24.2)
Net-(LED1-KR-Pad4): length 8.6
  Top w0.2: v1(59.92,29.95) 59.42,29.45 58.17,29.45 57.92,29.2 57.92,26.45 58.42,25.95 LED1.4
  Bottom w0.2: R24.1 v1(59.92,29.95)
Net-(LED2-KB): length 10.5
  Top w0.2: LED2.2 109.82,27.85 v1(111.17,29.2)
  Bottom w0.2: R26.1 113.24,23.87 112.92,24.2 112.92,28.2 111.92,29.2 v1(111.17,29.2)
Net-(LED2-KR-Pad4): length 9.6
  Top w0.2: 109.82,29.85 v1(109.92,29.95) 111.67,29.95 112.17,29.45 112.17,26.45 111.42,25.7 LED2.4
  Bottom w0.2: R27.1 v1(109.92,29.95)
Net-(LED2-KR-Pad6): length 13.6
  Top w0.2: LED2.6 109.82,21.85 v1(109.42,21.45)
  Bottom w0.2: R28.1 101.07,24.3 103.92,21.45 v1(109.42,21.45)
Net-(P2-CC1): length 6.2
  Bottom w0.1: P2.A5 45.92,93.6 45.47,93.15 45.47,89.15 45.92,88.7 R16.1
Net-(P2-CC2): length 3
  Bottom w0.2: R17.1 P2.B5
Net-(R2-Pad2): length 10.7
  Top w0.2: v1(123.67,82.2) v1(126.92,82.2)
  Bottom w0.2: R5.1 126.92,81.02 v1(126.92,82.2) ; v1(123.67,82.2) 118.24,82.2 R2.2
Net-(SW1-A): length 39
  Bottom w0.2: J1.2 61.87,101 41.47,101 41.17,100.7 41.17,98.95 37.19,94.97 SW1.1
Net-(U3-BYPASS): length 2.2
  Bottom w0.2: U3.1 137.34,6.39 C4.1
Net-(U3-IN1-): length 9.8
  Bottom w0.2: U3.8 129.47,6.39 128.84,7.02 R14.1 127.67,8.2 127.24,7.77 R12.2
Net-(U3-IN2-): length 10.1
  Bottom w0.2: U3.4 135.18,3.46 134.42,2.7 132.42,2.7 131.84,2.12 R15.1 R13.2
Net-(U3-VO1): length 40.2
  Bottom w0.2: C6.1 148.42,24.2 131.17,24.2 130.49,23.52 R14.2 131.67,8.2 131.91,7.96 131.91,6.05 131.6,5.74 U3.7
Net-(U3-VO2): length 54
  Top w0.2: v1(130.42,0.8) 130.92,1.3 v1(130.92,2.95)
  Bottom w0.2: U3.5 130.92,4.4 v1(130.92,2.95) ; C7.1 159.82,3.1 158.17,1.45 R15.2 132.65,0.6 131.12,0.6 130.92,0.8 v1(130.42,0.8)
Net-(U4-BIAS): length 4.8
  Top w0.1: v1(79.67,41.36) 79.58,41.45 v1(77.67,41.45)
  Bottom w0.1: v1(79.67,41.36) 79.82,41.51 U4.12 ; C10.2 v1(77.67,41.45)
Net-(U4-CG): length 5.2
  Top w0.1: v1(86.42,41.7) 87.17,42.45 v1(87.17,42.7)
  Bottom w0.1: v1(87.17,42.7) 87.51,42.7 C9.2 ; v1(86.42,41.7) 86.23,41.51 U4.3
Net-(U4-CT): length 7.3
  Bottom w0.1: U4.1 85.11,42.31 86.17,43.38 86.17,46.7 86.65,47.18 C8.2
Net-(U4-MICBIAS): length 16.8
  Bottom w0.1: U4.13 78.71,41.91 78.67,41.95 78.67,45.2 79.17,45.7 R19.1
  Bottom w0.2: R20.2 79.42,36.45 78.42,37.45 78.42,41.7 78.67,41.95
Net-(U4-MICIN): length 2.3
  Bottom w0.2: 80.89,39.89 80.92,39.89 80.92,38.45 81.17,38.2 C11.2
Net-(U4-MICOUT): length 3.2
  Bottom w0.1: C12.1 86.98,40.31 U4.6
Net-(U4-TH): length 7.1
  Bottom w0.1: R18.2 R19.2 83.24,45.02 82.92,44.7 81.17,44.7 80.89,44.42 U4.14
Net-(U4-VDD): length 11.1
  Bottom w0.1: U4.2 85.13,41.91 86.17,42.95 ; 86.17,42.95 86.96,43.74 C13.2 86.99,43.75 FB2.2 ; 86.17,42.95 86.17,42.73 87.17,41.73 87.17,41.45 86.87,41.15 85.62,41.15 85.18,40.71 U4.5

## Text on the board
F.Silkscreen: v2.0.0 | Designed by FJ Bourgeois | Stellar Crucible | Manifold
